# Altium PCB Sensor.PcbDoc (part 2 of 3)
Units mil, origin at the board's own origin, x right, y up, seen from the top; angles counter-clockwise.
Board outline 4420 x 3000 mil, 2 copper layers (Top Layer, Bottom Layer); 1207 components, 78 nets, 2560 pads, 1349 vias.
Unrouted connection lines stored in the file: 1.
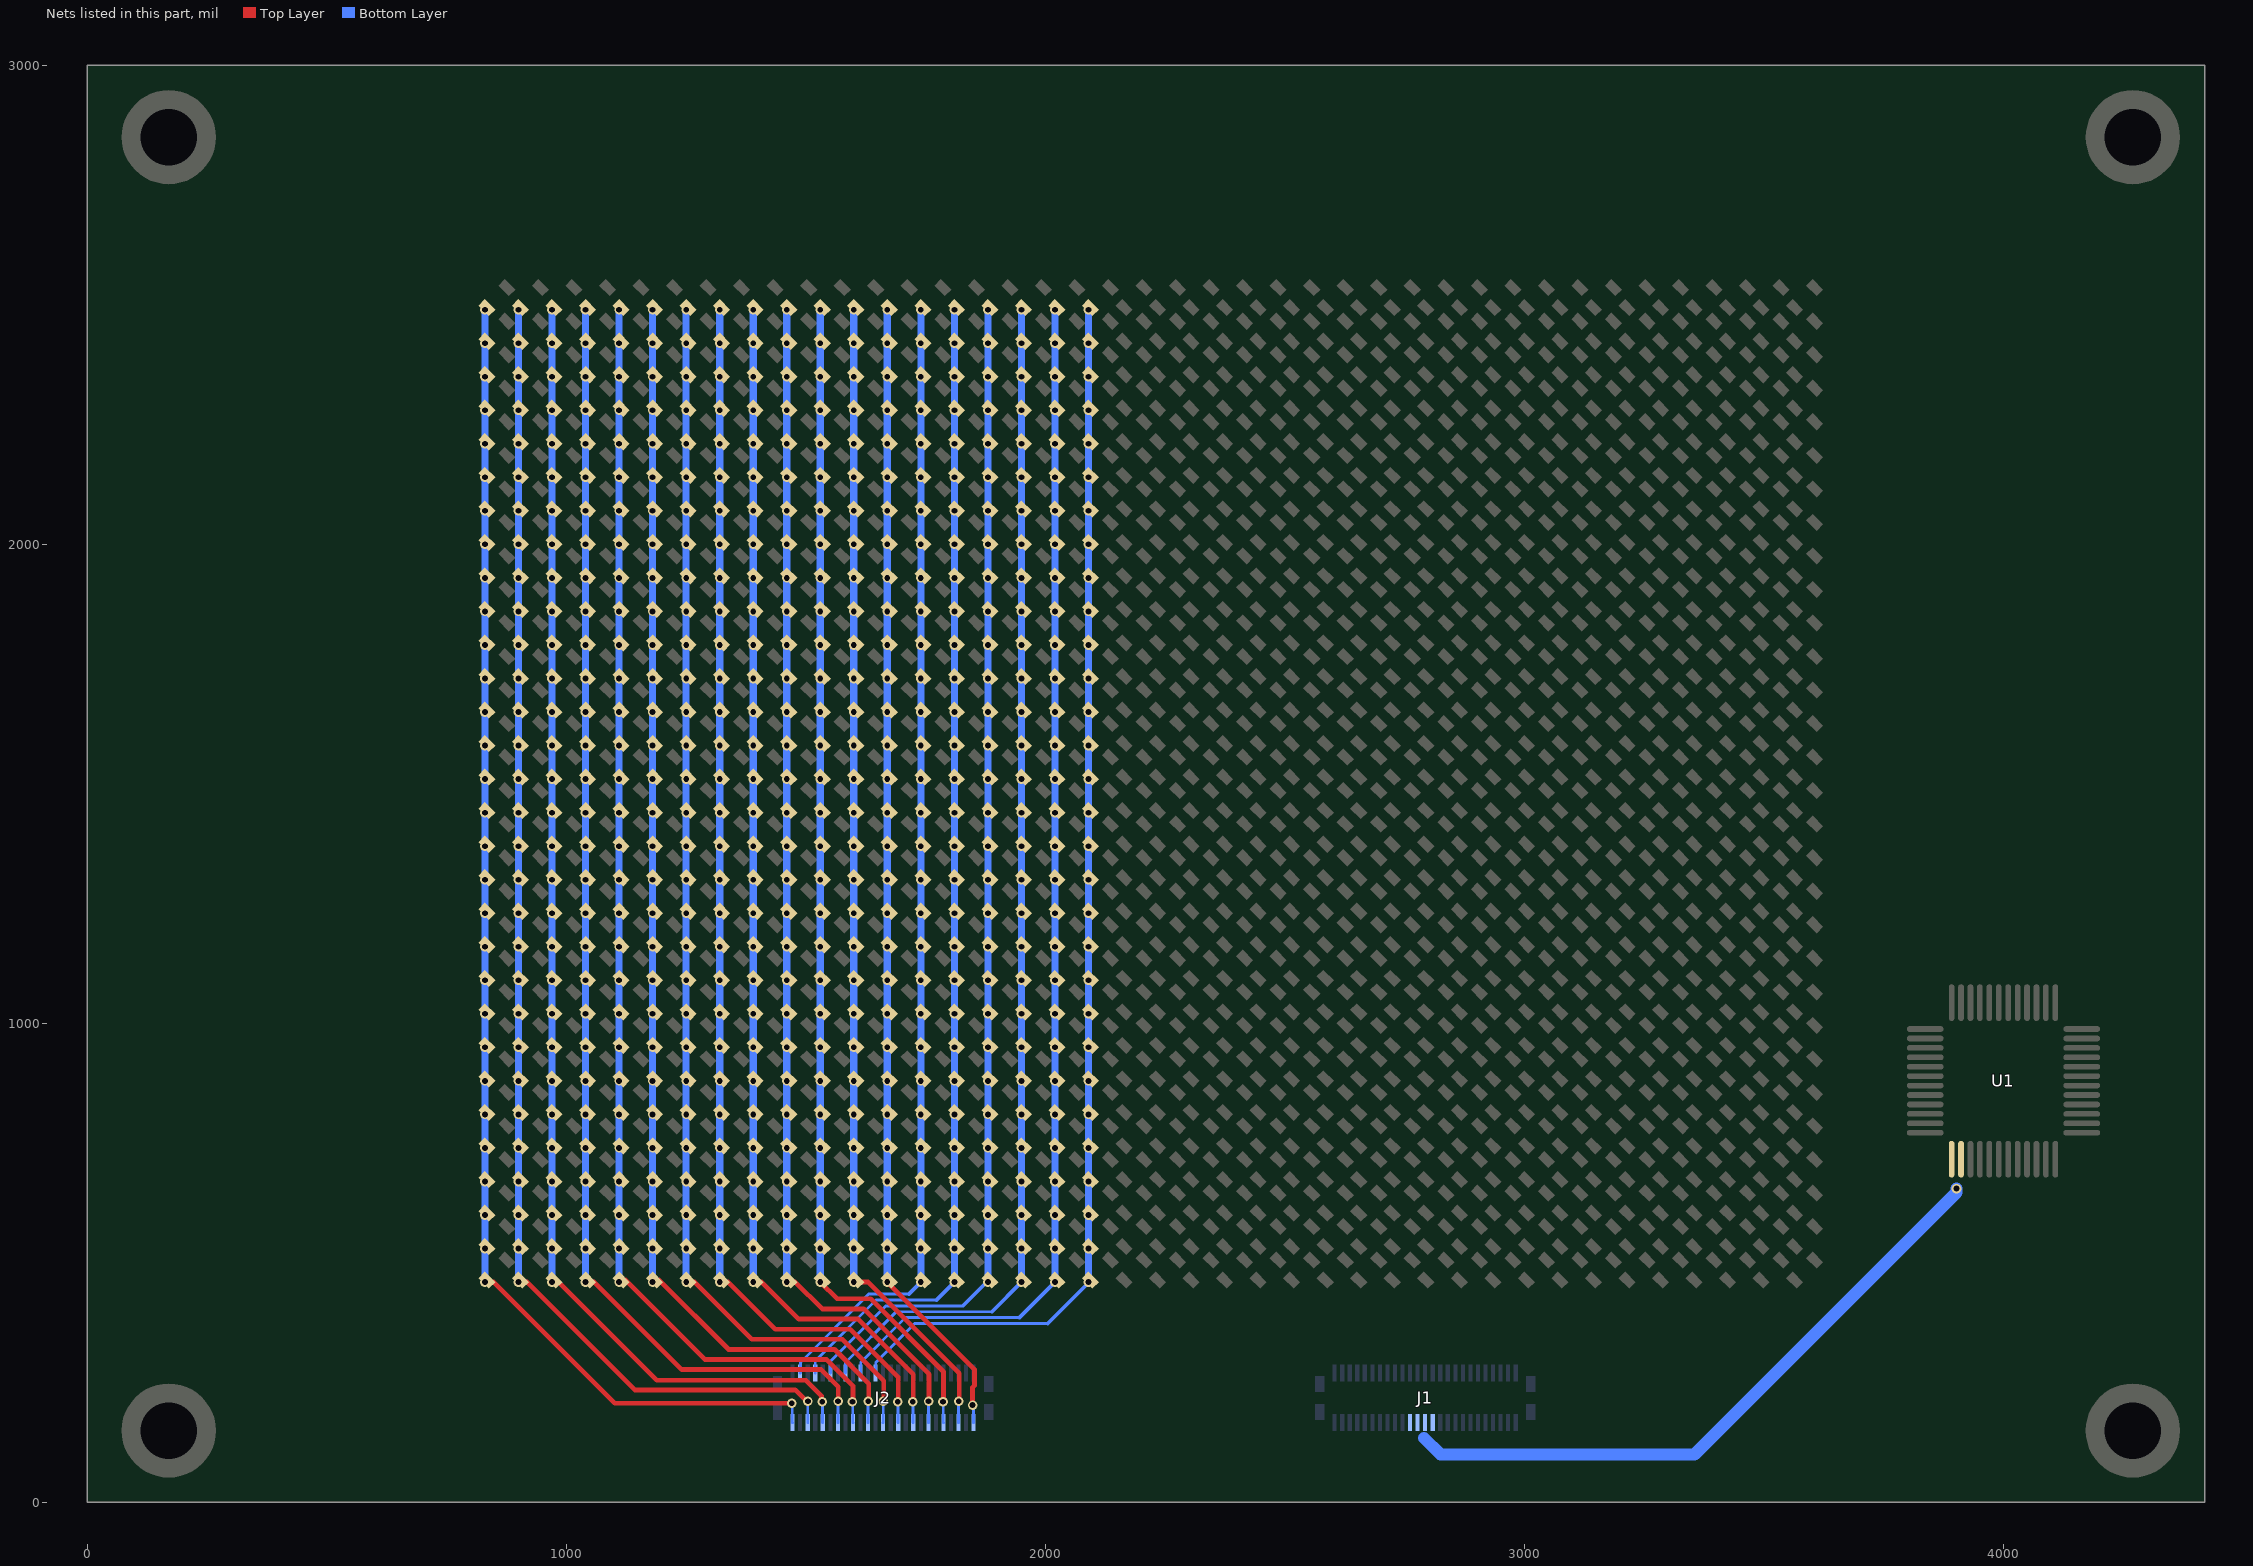
[diagram p2: the nets of this part, all layers, seen from the top]

## Components (designator, comment, footprint, x,y, rotation, side; value= is the part's Value field where it differs from the comment) (continued)
Q818 "PT0805CS" "0805 Phototransistor" 2045,1885 r45 top
Q819 "PT0805CS" "0805 Phototransistor" 2115,1885 r45 top
Q820 "PT0805CS" "0805 Phototransistor" 2185,1885 r45 top
Q821 "PT0805CS" "0805 Phototransistor" 2255,1885 r45 top
Q822 "PT0805CS" "0805 Phototransistor" 2325,1885 r45 top
Q823 "PT0805CS" "0805 Phototransistor" 2395,1885 r45 top
Q824 "PT0805CS" "0805 Phototransistor" 2465,1885 r45 top
Q825 "PT0805CS" "0805 Phototransistor" 2535,1885 r45 top
Q826 "PT0805CS" "0805 Phototransistor" 2605,1885 r45 top
Q827 "PT0805CS" "0805 Phototransistor" 2675,1885 r45 top
Q828 "PT0805CS" "0805 Phototransistor" 2745,1885 r45 top
Q829 "PT0805CS" "0805 Phototransistor" 2815,1885 r45 top
Q830 "PT0805CS" "0805 Phototransistor" 2885,1885 r45 top
Q831 "PT0805CS" "0805 Phototransistor" 2955,1885 r45 top
Q832 "PT0805CS" "0805 Phototransistor" 3025,1885 r45 top
Q833 "PT0805CS" "0805 Phototransistor" 3095,1885 r45 top
Q834 "PT0805CS" "0805 Phototransistor" 3165,1885 r45 top
Q835 "PT0805CS" "0805 Phototransistor" 3235,1885 r45 top
Q836 "PT0805CS" "0805 Phototransistor" 3305,1885 r45 top
Q837 "PT0805CS" "0805 Phototransistor" 3375,1885 r45 top
Q838 "PT0805CS" "0805 Phototransistor" 3445,1885 r45 top
Q839 "PT0805CS" "0805 Phototransistor" 3515,1885 r45 top
Q840 "PT0805CS" "0805 Phototransistor" 3585,1885 r45 top
Q841 "PT0805CS" "0805 Phototransistor" 855,1955 r45 top
Q842 "PT0805CS" "0805 Phototransistor" 925,1955 r45 top
Q843 "PT0805CS" "0805 Phototransistor" 995,1955 r45 top
Q844 "PT0805CS" "0805 Phototransistor" 1065,1955 r45 top
Q845 "PT0805CS" "0805 Phototransistor" 1135,1955 r45 top
Q846 "PT0805CS" "0805 Phototransistor" 1205,1955 r45 top
Q847 "PT0805CS" "0805 Phototransistor" 1275,1955 r45 top
Q848 "PT0805CS" "0805 Phototransistor" 1345,1955 r45 top
Q849 "PT0805CS" "0805 Phototransistor" 1415,1955 r45 top
Q850 "PT0805CS" "0805 Phototransistor" 1485,1955 r45 top
Q851 "PT0805CS" "0805 Phototransistor" 1555,1955 r45 top
Q852 "PT0805CS" "0805 Phototransistor" 1625,1955 r45 top
Q853 "PT0805CS" "0805 Phototransistor" 1695,1955 r45 top
Q854 "PT0805CS" "0805 Phototransistor" 1765,1955 r45 top
Q855 "PT0805CS" "0805 Phototransistor" 1835,1955 r45 top
Q856 "PT0805CS" "0805 Phototransistor" 1905,1955 r45 top
Q857 "PT0805CS" "0805 Phototransistor" 1975,1955 r45 top
Q858 "PT0805CS" "0805 Phototransistor" 2045,1955 r45 top
Q859 "PT0805CS" "0805 Phototransistor" 2115,1955 r45 top
Q860 "PT0805CS" "0805 Phototransistor" 2185,1955 r45 top
Q861 "PT0805CS" "0805 Phototransistor" 2255,1955 r45 top
Q862 "PT0805CS" "0805 Phototransistor" 2325,1955 r45 top
Q863 "PT0805CS" "0805 Phototransistor" 2395,1955 r45 top
Q864 "PT0805CS" "0805 Phototransistor" 2465,1955 r45 top
Q865 "PT0805CS" "0805 Phototransistor" 2535,1955 r45 top
Q866 "PT0805CS" "0805 Phototransistor" 2605,1955 r45 top
Q867 "PT0805CS" "0805 Phototransistor" 2675,1955 r45 top
Q868 "PT0805CS" "0805 Phototransistor" 2745,1955 r45 top
Q869 "PT0805CS" "0805 Phototransistor" 2815,1955 r45 top
Q870 "PT0805CS" "0805 Phototransistor" 2885,1955 r45 top
Q871 "PT0805CS" "0805 Phototransistor" 2955,1955 r45 top
Q872 "PT0805CS" "0805 Phototransistor" 3025,1955 r45 top
Q873 "PT0805CS" "0805 Phototransistor" 3095,1955 r45 top
Q874 "PT0805CS" "0805 Phototransistor" 3165,1955 r45 top
Q875 "PT0805CS" "0805 Phototransistor" 3235,1955 r45 top
Q876 "PT0805CS" "0805 Phototransistor" 3305,1955 r45 top
Q877 "PT0805CS" "0805 Phototransistor" 3375,1955 r45 top
Q878 "PT0805CS" "0805 Phototransistor" 3445,1955 r45 top
Q879 "PT0805CS" "0805 Phototransistor" 3515,1955 r45 top
Q880 "PT0805CS" "0805 Phototransistor" 3585,1955 r45 top
Q881 "PT0805CS" "0805 Phototransistor" 855,2025 r45 top
Q882 "PT0805CS" "0805 Phototransistor" 925,2025 r45 top
Q883 "PT0805CS" "0805 Phototransistor" 995,2025 r45 top
Q884 "PT0805CS" "0805 Phototransistor" 1065,2025 r45 top
Q885 "PT0805CS" "0805 Phototransistor" 1135,2025 r45 top
Q886 "PT0805CS" "0805 Phototransistor" 1205,2025 r45 top
Q887 "PT0805CS" "0805 Phototransistor" 1275,2025 r45 top
Q888 "PT0805CS" "0805 Phototransistor" 1345,2025 r45 top
Q889 "PT0805CS" "0805 Phototransistor" 1415,2025 r45 top
Q890 "PT0805CS" "0805 Phototransistor" 1485,2025 r45 top
Q891 "PT0805CS" "0805 Phototransistor" 1555,2025 r45 top
Q892 "PT0805CS" "0805 Phototransistor" 1625,2025 r45 top
Q893 "PT0805CS" "0805 Phototransistor" 1695,2025 r45 top
Q894 "PT0805CS" "0805 Phototransistor" 1765,2025 r45 top
Q895 "PT0805CS" "0805 Phototransistor" 1835,2025 r45 top
Q896 "PT0805CS" "0805 Phototransistor" 1905,2025 r45 top
Q897 "PT0805CS" "0805 Phototransistor" 1975,2025 r45 top
Q898 "PT0805CS" "0805 Phototransistor" 2045,2025 r45 top
Q899 "PT0805CS" "0805 Phototransistor" 2115,2025 r45 top
Q900 "PT0805CS" "0805 Phototransistor" 2185,2025 r45 top
Q901 "PT0805CS" "0805 Phototransistor" 2255,2025 r45 top
Q902 "PT0805CS" "0805 Phototransistor" 2325,2025 r45 top
Q903 "PT0805CS" "0805 Phototransistor" 2395,2025 r45 top
Q904 "PT0805CS" "0805 Phototransistor" 2465,2025 r45 top
Q905 "PT0805CS" "0805 Phototransistor" 2535,2025 r45 top
Q906 "PT0805CS" "0805 Phototransistor" 2605,2025 r45 top
Q907 "PT0805CS" "0805 Phototransistor" 2675,2025 r45 top
Q908 "PT0805CS" "0805 Phototransistor" 2745,2025 r45 top
Q909 "PT0805CS" "0805 Phototransistor" 2815,2025 r45 top
Q910 "PT0805CS" "0805 Phototransistor" 2885,2025 r45 top
Q911 "PT0805CS" "0805 Phototransistor" 2955,2025 r45 top
Q912 "PT0805CS" "0805 Phototransistor" 3025,2025 r45 top
Q913 "PT0805CS" "0805 Phototransistor" 3095,2025 r45 top
Q914 "PT0805CS" "0805 Phototransistor" 3165,2025 r45 top
Q915 "PT0805CS" "0805 Phototransistor" 3235,2025 r45 top
Q916 "PT0805CS" "0805 Phototransistor" 3305,2025 r45 top
Q917 "PT0805CS" "0805 Phototransistor" 3375,2025 r45 top
Q918 "PT0805CS" "0805 Phototransistor" 3445,2025 r45 top
Q919 "PT0805CS" "0805 Phototransistor" 3515,2025 r45 top
Q920 "PT0805CS" "0805 Phototransistor" 3585,2025 r45 top
Q921 "PT0805CS" "0805 Phototransistor" 855,2095 r45 top
Q922 "PT0805CS" "0805 Phototransistor" 925,2095 r45 top
Q923 "PT0805CS" "0805 Phototransistor" 995,2095 r45 top
Q924 "PT0805CS" "0805 Phototransistor" 1065,2095 r45 top
Q925 "PT0805CS" "0805 Phototransistor" 1135,2095 r45 top
Q926 "PT0805CS" "0805 Phototransistor" 1205,2095 r45 top
Q927 "PT0805CS" "0805 Phototransistor" 1275,2095 r45 top
Q928 "PT0805CS" "0805 Phototransistor" 1345,2095 r45 top
Q929 "PT0805CS" "0805 Phototransistor" 1415,2095 r45 top
Q930 "PT0805CS" "0805 Phototransistor" 1485,2095 r45 top
Q931 "PT0805CS" "0805 Phototransistor" 1555,2095 r45 top
Q932 "PT0805CS" "0805 Phototransistor" 1625,2095 r45 top
Q933 "PT0805CS" "0805 Phototransistor" 1695,2095 r45 top
Q934 "PT0805CS" "0805 Phototransistor" 1765,2095 r45 top
Q935 "PT0805CS" "0805 Phototransistor" 1835,2095 r45 top
Q936 "PT0805CS" "0805 Phototransistor" 1905,2095 r45 top
Q937 "PT0805CS" "0805 Phototransistor" 1975,2095 r45 top
Q938 "PT0805CS" "0805 Phototransistor" 2045,2095 r45 top
Q939 "PT0805CS" "0805 Phototransistor" 2115,2095 r45 top
Q940 "PT0805CS" "0805 Phototransistor" 2185,2095 r45 top
Q941 "PT0805CS" "0805 Phototransistor" 2255,2095 r45 top
Q942 "PT0805CS" "0805 Phototransistor" 2325,2095 r45 top
Q943 "PT0805CS" "0805 Phototransistor" 2395,2095 r45 top
Q944 "PT0805CS" "0805 Phototransistor" 2465,2095 r45 top
Q945 "PT0805CS" "0805 Phototransistor" 2535,2095 r45 top
Q946 "PT0805CS" "0805 Phototransistor" 2605,2095 r45 top
Q947 "PT0805CS" "0805 Phototransistor" 2675,2095 r45 top
Q948 "PT0805CS" "0805 Phototransistor" 2745,2095 r45 top
Q949 "PT0805CS" "0805 Phototransistor" 2815,2095 r45 top
Q950 "PT0805CS" "0805 Phototransistor" 2885,2095 r45 top
Q951 "PT0805CS" "0805 Phototransistor" 2955,2095 r45 top
Q952 "PT0805CS" "0805 Phototransistor" 3025,2095 r45 top
Q953 "PT0805CS" "0805 Phototransistor" 3095,2095 r45 top
Q954 "PT0805CS" "0805 Phototransistor" 3165,2095 r45 top
Q955 "PT0805CS" "0805 Phototransistor" 3235,2095 r45 top
Q956 "PT0805CS" "0805 Phototransistor" 3305,2095 r45 top
Q957 "PT0805CS" "0805 Phototransistor" 3375,2095 r45 top
Q958 "PT0805CS" "0805 Phototransistor" 3445,2095 r45 top
Q959 "PT0805CS" "0805 Phototransistor" 3515,2095 r45 top
Q960 "PT0805CS" "0805 Phototransistor" 3585,2095 r45 top
Q961 "PT0805CS" "0805 Phototransistor" 855,2165 r45 top
Q962 "PT0805CS" "0805 Phototransistor" 925,2165 r45 top
Q963 "PT0805CS" "0805 Phototransistor" 995,2165 r45 top
Q964 "PT0805CS" "0805 Phototransistor" 1065,2165 r45 top
Q965 "PT0805CS" "0805 Phototransistor" 1135,2165 r45 top
Q966 "PT0805CS" "0805 Phototransistor" 1205,2165 r45 top
Q967 "PT0805CS" "0805 Phototransistor" 1275,2165 r45 top
Q968 "PT0805CS" "0805 Phototransistor" 1345,2165 r45 top
Q969 "PT0805CS" "0805 Phototransistor" 1415,2165 r45 top
Q970 "PT0805CS" "0805 Phototransistor" 1485,2165 r45 top
Q971 "PT0805CS" "0805 Phototransistor" 1555,2165 r45 top
Q972 "PT0805CS" "0805 Phototransistor" 1625,2165 r45 top
Q973 "PT0805CS" "0805 Phototransistor" 1695,2165 r45 top
Q974 "PT0805CS" "0805 Phototransistor" 1765,2165 r45 top
Q975 "PT0805CS" "0805 Phototransistor" 1835,2165 r45 top
Q976 "PT0805CS" "0805 Phototransistor" 1905,2165 r45 top
Q977 "PT0805CS" "0805 Phototransistor" 1975,2165 r45 top
Q978 "PT0805CS" "0805 Phototransistor" 2045,2165 r45 top
Q979 "PT0805CS" "0805 Phototransistor" 2115,2165 r45 top
Q980 "PT0805CS" "0805 Phototransistor" 2185,2165 r45 top
Q981 "PT0805CS" "0805 Phototransistor" 2255,2165 r45 top
Q982 "PT0805CS" "0805 Phototransistor" 2325,2165 r45 top
Q983 "PT0805CS" "0805 Phototransistor" 2395,2165 r45 top
Q984 "PT0805CS" "0805 Phototransistor" 2465,2165 r45 top
Q985 "PT0805CS" "0805 Phototransistor" 2535,2165 r45 top
Q986 "PT0805CS" "0805 Phototransistor" 2605,2165 r45 top
Q987 "PT0805CS" "0805 Phototransistor" 2675,2165 r45 top
Q988 "PT0805CS" "0805 Phototransistor" 2745,2165 r45 top
Q989 "PT0805CS" "0805 Phototransistor" 2815,2165 r45 top
Q990 "PT0805CS" "0805 Phototransistor" 2885,2165 r45 top
Q991 "PT0805CS" "0805 Phototransistor" 2955,2165 r45 top
Q992 "PT0805CS" "0805 Phototransistor" 3025,2165 r45 top
Q993 "PT0805CS" "0805 Phototransistor" 3095,2165 r45 top
Q994 "PT0805CS" "0805 Phototransistor" 3165,2165 r45 top
Q995 "PT0805CS" "0805 Phototransistor" 3235,2165 r45 top
Q996 "PT0805CS" "0805 Phototransistor" 3305,2165 r45 top
Q997 "PT0805CS" "0805 Phototransistor" 3375,2165 r45 top
Q998 "PT0805CS" "0805 Phototransistor" 3445,2165 r45 top
Q999 "PT0805CS" "0805 Phototransistor" 3515,2165 r45 top
Q1000 "PT0805CS" "0805 Phototransistor" 3585,2165 r45 top
Q1001 "PT0805CS" "0805 Phototransistor" 855,2235 r45 top
Q1002 "PT0805CS" "0805 Phototransistor" 925,2235 r45 top
Q1003 "PT0805CS" "0805 Phototransistor" 995,2235 r45 top
Q1004 "PT0805CS" "0805 Phototransistor" 1065,2235 r45 top
Q1005 "PT0805CS" "0805 Phototransistor" 1135,2235 r45 top
Q1006 "PT0805CS" "0805 Phototransistor" 1205,2235 r45 top
Q1007 "PT0805CS" "0805 Phototransistor" 1275,2235 r45 top
Q1008 "PT0805CS" "0805 Phototransistor" 1345,2235 r45 top
Q1009 "PT0805CS" "0805 Phototransistor" 1415,2235 r45 top
Q1010 "PT0805CS" "0805 Phototransistor" 1485,2235 r45 top
Q1011 "PT0805CS" "0805 Phototransistor" 1555,2235 r45 top
Q1012 "PT0805CS" "0805 Phototransistor" 1625,2235 r45 top
Q1013 "PT0805CS" "0805 Phototransistor" 1695,2235 r45 top
Q1014 "PT0805CS" "0805 Phototransistor" 1765,2235 r45 top
Q1015 "PT0805CS" "0805 Phototransistor" 1835,2235 r45 top
Q1016 "PT0805CS" "0805 Phototransistor" 1905,2235 r45 top
Q1017 "PT0805CS" "0805 Phototransistor" 1975,2235 r45 top
Q1018 "PT0805CS" "0805 Phototransistor" 2045,2235 r45 top
Q1019 "PT0805CS" "0805 Phototransistor" 2115,2235 r45 top
Q1020 "PT0805CS" "0805 Phototransistor" 2185,2235 r45 top
Q1021 "PT0805CS" "0805 Phototransistor" 2255,2235 r45 top
Q1022 "PT0805CS" "0805 Phototransistor" 2325,2235 r45 top
Q1023 "PT0805CS" "0805 Phototransistor" 2395,2235 r45 top
Q1024 "PT0805CS" "0805 Phototransistor" 2465,2235 r45 top
Q1025 "PT0805CS" "0805 Phototransistor" 2535,2235 r45 top
Q1026 "PT0805CS" "0805 Phototransistor" 2605,2235 r45 top
Q1027 "PT0805CS" "0805 Phototransistor" 2675,2235 r45 top
Q1028 "PT0805CS" "0805 Phototransistor" 2745,2235 r45 top
Q1029 "PT0805CS" "0805 Phototransistor" 2815,2235 r45 top
Q1030 "PT0805CS" "0805 Phototransistor" 2885,2235 r45 top
Q1031 "PT0805CS" "0805 Phototransistor" 2955,2235 r45 top
Q1032 "PT0805CS" "0805 Phototransistor" 3025,2235 r45 top
Q1033 "PT0805CS" "0805 Phototransistor" 3095,2235 r45 top
Q1034 "PT0805CS" "0805 Phototransistor" 3165,2235 r45 top
Q1035 "PT0805CS" "0805 Phototransistor" 3235,2235 r45 top
Q1036 "PT0805CS" "0805 Phototransistor" 3305,2235 r45 top
Q1037 "PT0805CS" "0805 Phototransistor" 3375,2235 r45 top
Q1038 "PT0805CS" "0805 Phototransistor" 3445,2235 r45 top
Q1039 "PT0805CS" "0805 Phototransistor" 3515,2235 r45 top
Q1040 "PT0805CS" "0805 Phototransistor" 3585,2235 r45 top
Q1041 "PT0805CS" "0805 Phototransistor" 855,2305 r45 top
Q1042 "PT0805CS" "0805 Phototransistor" 925,2305 r45 top
Q1043 "PT0805CS" "0805 Phototransistor" 995,2305 r45 top
Q1044 "PT0805CS" "0805 Phototransistor" 1065,2305 r45 top
Q1045 "PT0805CS" "0805 Phototransistor" 1135,2305 r45 top
Q1046 "PT0805CS" "0805 Phototransistor" 1205,2305 r45 top
Q1047 "PT0805CS" "0805 Phototransistor" 1275,2305 r45 top
Q1048 "PT0805CS" "0805 Phototransistor" 1345,2305 r45 top
Q1049 "PT0805CS" "0805 Phototransistor" 1415,2305 r45 top
Q1050 "PT0805CS" "0805 Phototransistor" 1485,2305 r45 top
Q1051 "PT0805CS" "0805 Phototransistor" 1555,2305 r45 top
Q1052 "PT0805CS" "0805 Phototransistor" 1625,2305 r45 top
Q1053 "PT0805CS" "0805 Phototransistor" 1695,2305 r45 top
Q1054 "PT0805CS" "0805 Phototransistor" 1765,2305 r45 top
Q1055 "PT0805CS" "0805 Phototransistor" 1835,2305 r45 top
Q1056 "PT0805CS" "0805 Phototransistor" 1905,2305 r45 top
Q1057 "PT0805CS" "0805 Phototransistor" 1975,2305 r45 top
Q1058 "PT0805CS" "0805 Phototransistor" 2045,2305 r45 top
Q1059 "PT0805CS" "0805 Phototransistor" 2115,2305 r45 top
Q1060 "PT0805CS" "0805 Phototransistor" 2185,2305 r45 top
Q1061 "PT0805CS" "0805 Phototransistor" 2255,2305 r45 top
Q1062 "PT0805CS" "0805 Phototransistor" 2325,2305 r45 top
Q1063 "PT0805CS" "0805 Phototransistor" 2395,2305 r45 top
Q1064 "PT0805CS" "0805 Phototransistor" 2465,2305 r45 top
Q1065 "PT0805CS" "0805 Phototransistor" 2535,2305 r45 top
Q1066 "PT0805CS" "0805 Phototransistor" 2605,2305 r45 top
Q1067 "PT0805CS" "0805 Phototransistor" 2675,2305 r45 top
Q1068 "PT0805CS" "0805 Phototransistor" 2745,2305 r45 top
Q1069 "PT0805CS" "0805 Phototransistor" 2815,2305 r45 top
Q1070 "PT0805CS" "0805 Phototransistor" 2885,2305 r45 top
Q1071 "PT0805CS" "0805 Phototransistor" 2955,2305 r45 top
Q1072 "PT0805CS" "0805 Phototransistor" 3025,2305 r45 top
Q1073 "PT0805CS" "0805 Phototransistor" 3095,2305 r45 top
Q1074 "PT0805CS" "0805 Phototransistor" 3165,2305 r45 top
Q1075 "PT0805CS" "0805 Phototransistor" 3235,2305 r45 top
Q1076 "PT0805CS" "0805 Phototransistor" 3305,2305 r45 top
Q1077 "PT0805CS" "0805 Phototransistor" 3375,2305 r45 top
Q1078 "PT0805CS" "0805 Phototransistor" 3445,2305 r45 top
Q1079 "PT0805CS" "0805 Phototransistor" 3515,2305 r45 top
Q1080 "PT0805CS" "0805 Phototransistor" 3585,2305 r45 top
Q1081 "PT0805CS" "0805 Phototransistor" 855,2375 r45 top
Q1082 "PT0805CS" "0805 Phototransistor" 925,2375 r45 top
Q1083 "PT0805CS" "0805 Phototransistor" 995,2375 r45 top
Q1084 "PT0805CS" "0805 Phototransistor" 1065,2375 r45 top
Q1085 "PT0805CS" "0805 Phototransistor" 1135,2375 r45 top
Q1086 "PT0805CS" "0805 Phototransistor" 1205,2375 r45 top
Q1087 "PT0805CS" "0805 Phototransistor" 1275,2375 r45 top
Q1088 "PT0805CS" "0805 Phototransistor" 1345,2375 r45 top
Q1089 "PT0805CS" "0805 Phototransistor" 1415,2375 r45 top
Q1090 "PT0805CS" "0805 Phototransistor" 1485,2375 r45 top
Q1091 "PT0805CS" "0805 Phototransistor" 1555,2375 r45 top
Q1092 "PT0805CS" "0805 Phototransistor" 1625,2375 r45 top
Q1093 "PT0805CS" "0805 Phototransistor" 1695,2375 r45 top
Q1094 "PT0805CS" "0805 Phototransistor" 1765,2375 r45 top
Q1095 "PT0805CS" "0805 Phototransistor" 1835,2375 r45 top
Q1096 "PT0805CS" "0805 Phototransistor" 1905,2375 r45 top
Q1097 "PT0805CS" "0805 Phototransistor" 1975,2375 r45 top
Q1098 "PT0805CS" "0805 Phototransistor" 2045,2375 r45 top
Q1099 "PT0805CS" "0805 Phototransistor" 2115,2375 r45 top
Q1100 "PT0805CS" "0805 Phototransistor" 2185,2375 r45 top
Q1101 "PT0805CS" "0805 Phototransistor" 2255,2375 r45 top
Q1102 "PT0805CS" "0805 Phototransistor" 2325,2375 r45 top
Q1103 "PT0805CS" "0805 Phototransistor" 2395,2375 r45 top
Q1104 "PT0805CS" "0805 Phototransistor" 2465,2375 r45 top
Q1105 "PT0805CS" "0805 Phototransistor" 2535,2375 r45 top
Q1106 "PT0805CS" "0805 Phototransistor" 2605,2375 r45 top
Q1107 "PT0805CS" "0805 Phototransistor" 2675,2375 r45 top
Q1108 "PT0805CS" "0805 Phototransistor" 2745,2375 r45 top
Q1109 "PT0805CS" "0805 Phototransistor" 2815,2375 r45 top
Q1110 "PT0805CS" "0805 Phototransistor" 2885,2375 r45 top
Q1111 "PT0805CS" "0805 Phototransistor" 2955,2375 r45 top
Q1112 "PT0805CS" "0805 Phototransistor" 3025,2375 r45 top
Q1113 "PT0805CS" "0805 Phototransistor" 3095,2375 r45 top
Q1114 "PT0805CS" "0805 Phototransistor" 3165,2375 r45 top
Q1115 "PT0805CS" "0805 Phototransistor" 3235,2375 r45 top
Q1116 "PT0805CS" "0805 Phototransistor" 3305,2375 r45 top
Q1117 "PT0805CS" "0805 Phototransistor" 3375,2375 r45 top
Q1118 "PT0805CS" "0805 Phototransistor" 3445,2375 r45 top
Q1119 "PT0805CS" "0805 Phototransistor" 3515,2375 r45 top
Q1120 "PT0805CS" "0805 Phototransistor" 3585,2375 r45 top
Q1121 "PT0805CS" "0805 Phototransistor" 855,2445 r45 top
Q1122 "PT0805CS" "0805 Phototransistor" 925,2445 r45 top
Q1123 "PT0805CS" "0805 Phototransistor" 995,2445 r45 top
Q1124 "PT0805CS" "0805 Phototransistor" 1065,2445 r45 top
Q1125 "PT0805CS" "0805 Phototransistor" 1135,2445 r45 top
Q1126 "PT0805CS" "0805 Phototransistor" 1205,2445 r45 top
Q1127 "PT0805CS" "0805 Phototransistor" 1275,2445 r45 top
Q1128 "PT0805CS" "0805 Phototransistor" 1345,2445 r45 top
Q1129 "PT0805CS" "0805 Phototransistor" 1415,2445 r45 top
Q1130 "PT0805CS" "0805 Phototransistor" 1485,2445 r45 top
Q1131 "PT0805CS" "0805 Phototransistor" 1555,2445 r45 top
Q1132 "PT0805CS" "0805 Phototransistor" 1625,2445 r45 top
Q1133 "PT0805CS" "0805 Phototransistor" 1695,2445 r45 top
Q1134 "PT0805CS" "0805 Phototransistor" 1765,2445 r45 top
Q1135 "PT0805CS" "0805 Phototransistor" 1835,2445 r45 top
Q1136 "PT0805CS" "0805 Phototransistor" 1905,2445 r45 top
Q1137 "PT0805CS" "0805 Phototransistor" 1975,2445 r45 top
Q1138 "PT0805CS" "0805 Phototransistor" 2045,2445 r45 top
Q1139 "PT0805CS" "0805 Phototransistor" 2115,2445 r45 top
Q1140 "PT0805CS" "0805 Phototransistor" 2185,2445 r45 top
Q1141 "PT0805CS" "0805 Phototransistor" 2255,2445 r45 top
Q1142 "PT0805CS" "0805 Phototransistor" 2325,2445 r45 top
Q1143 "PT0805CS" "0805 Phototransistor" 2395,2445 r45 top
Q1144 "PT0805CS" "0805 Phototransistor" 2465,2445 r45 top
Q1145 "PT0805CS" "0805 Phototransistor" 2535,2445 r45 top
Q1146 "PT0805CS" "0805 Phototransistor" 2605,2445 r45 top
Q1147 "PT0805CS" "0805 Phototransistor" 2675,2445 r45 top
Q1148 "PT0805CS" "0805 Phototransistor" 2745,2445 r45 top
Q1149 "PT0805CS" "0805 Phototransistor" 2815,2445 r45 top
Q1150 "PT0805CS" "0805 Phototransistor" 2885,2445 r45 top
Q1151 "PT0805CS" "0805 Phototransistor" 2955,2445 r45 top
Q1152 "PT0805CS" "0805 Phototransistor" 3025,2445 r45 top
Q1153 "PT0805CS" "0805 Phototransistor" 3095,2445 r45 top
Q1154 "PT0805CS" "0805 Phototransistor" 3165,2445 r45 top
Q1155 "PT0805CS" "0805 Phototransistor" 3235,2445 r45 top
Q1156 "PT0805CS" "0805 Phototransistor" 3305,2445 r45 top
Q1157 "PT0805CS" "0805 Phototransistor" 3375,2445 r45 top
Q1158 "PT0805CS" "0805 Phototransistor" 3445,2445 r45 top
Q1159 "PT0805CS" "0805 Phototransistor" 3515,2445 r45 top
Q1160 "PT0805CS" "0805 Phototransistor" 3585,2445 r45 top
Q1161 "PT0805CS" "0805 Phototransistor" 855,2515 r45 top
Q1162 "PT0805CS" "0805 Phototransistor" 925,2515 r45 top
Q1163 "PT0805CS" "0805 Phototransistor" 995,2515 r45 top
Q1164 "PT0805CS" "0805 Phototransistor" 1065,2515 r45 top
Q1165 "PT0805CS" "0805 Phototransistor" 1135,2515 r45 top
Q1166 "PT0805CS" "0805 Phototransistor" 1205,2515 r45 top
Q1167 "PT0805CS" "0805 Phototransistor" 1275,2515 r45 top
Q1168 "PT0805CS" "0805 Phototransistor" 1345,2515 r45 top
Q1169 "PT0805CS" "0805 Phototransistor" 1415,2515 r45 top
Q1170 "PT0805CS" "0805 Phototransistor" 1485,2515 r45 top
Q1171 "PT0805CS" "0805 Phototransistor" 1555,2515 r45 top
Q1172 "PT0805CS" "0805 Phototransistor" 1625,2515 r45 top
Q1173 "PT0805CS" "0805 Phototransistor" 1695,2515 r45 top